# Altium PCB GT502W_QC10.PcbDoc (part 2 of 2)
Units mil, origin at the board's own origin, x right, y up, seen from the top; angles counter-clockwise.
Board outline 2072.48 x 2691 mil, 2 copper layers (Top Layer, Bottom Layer), stack 10.556 mil thick; 172 components, 116 nets, 567 pads, 350 vias.
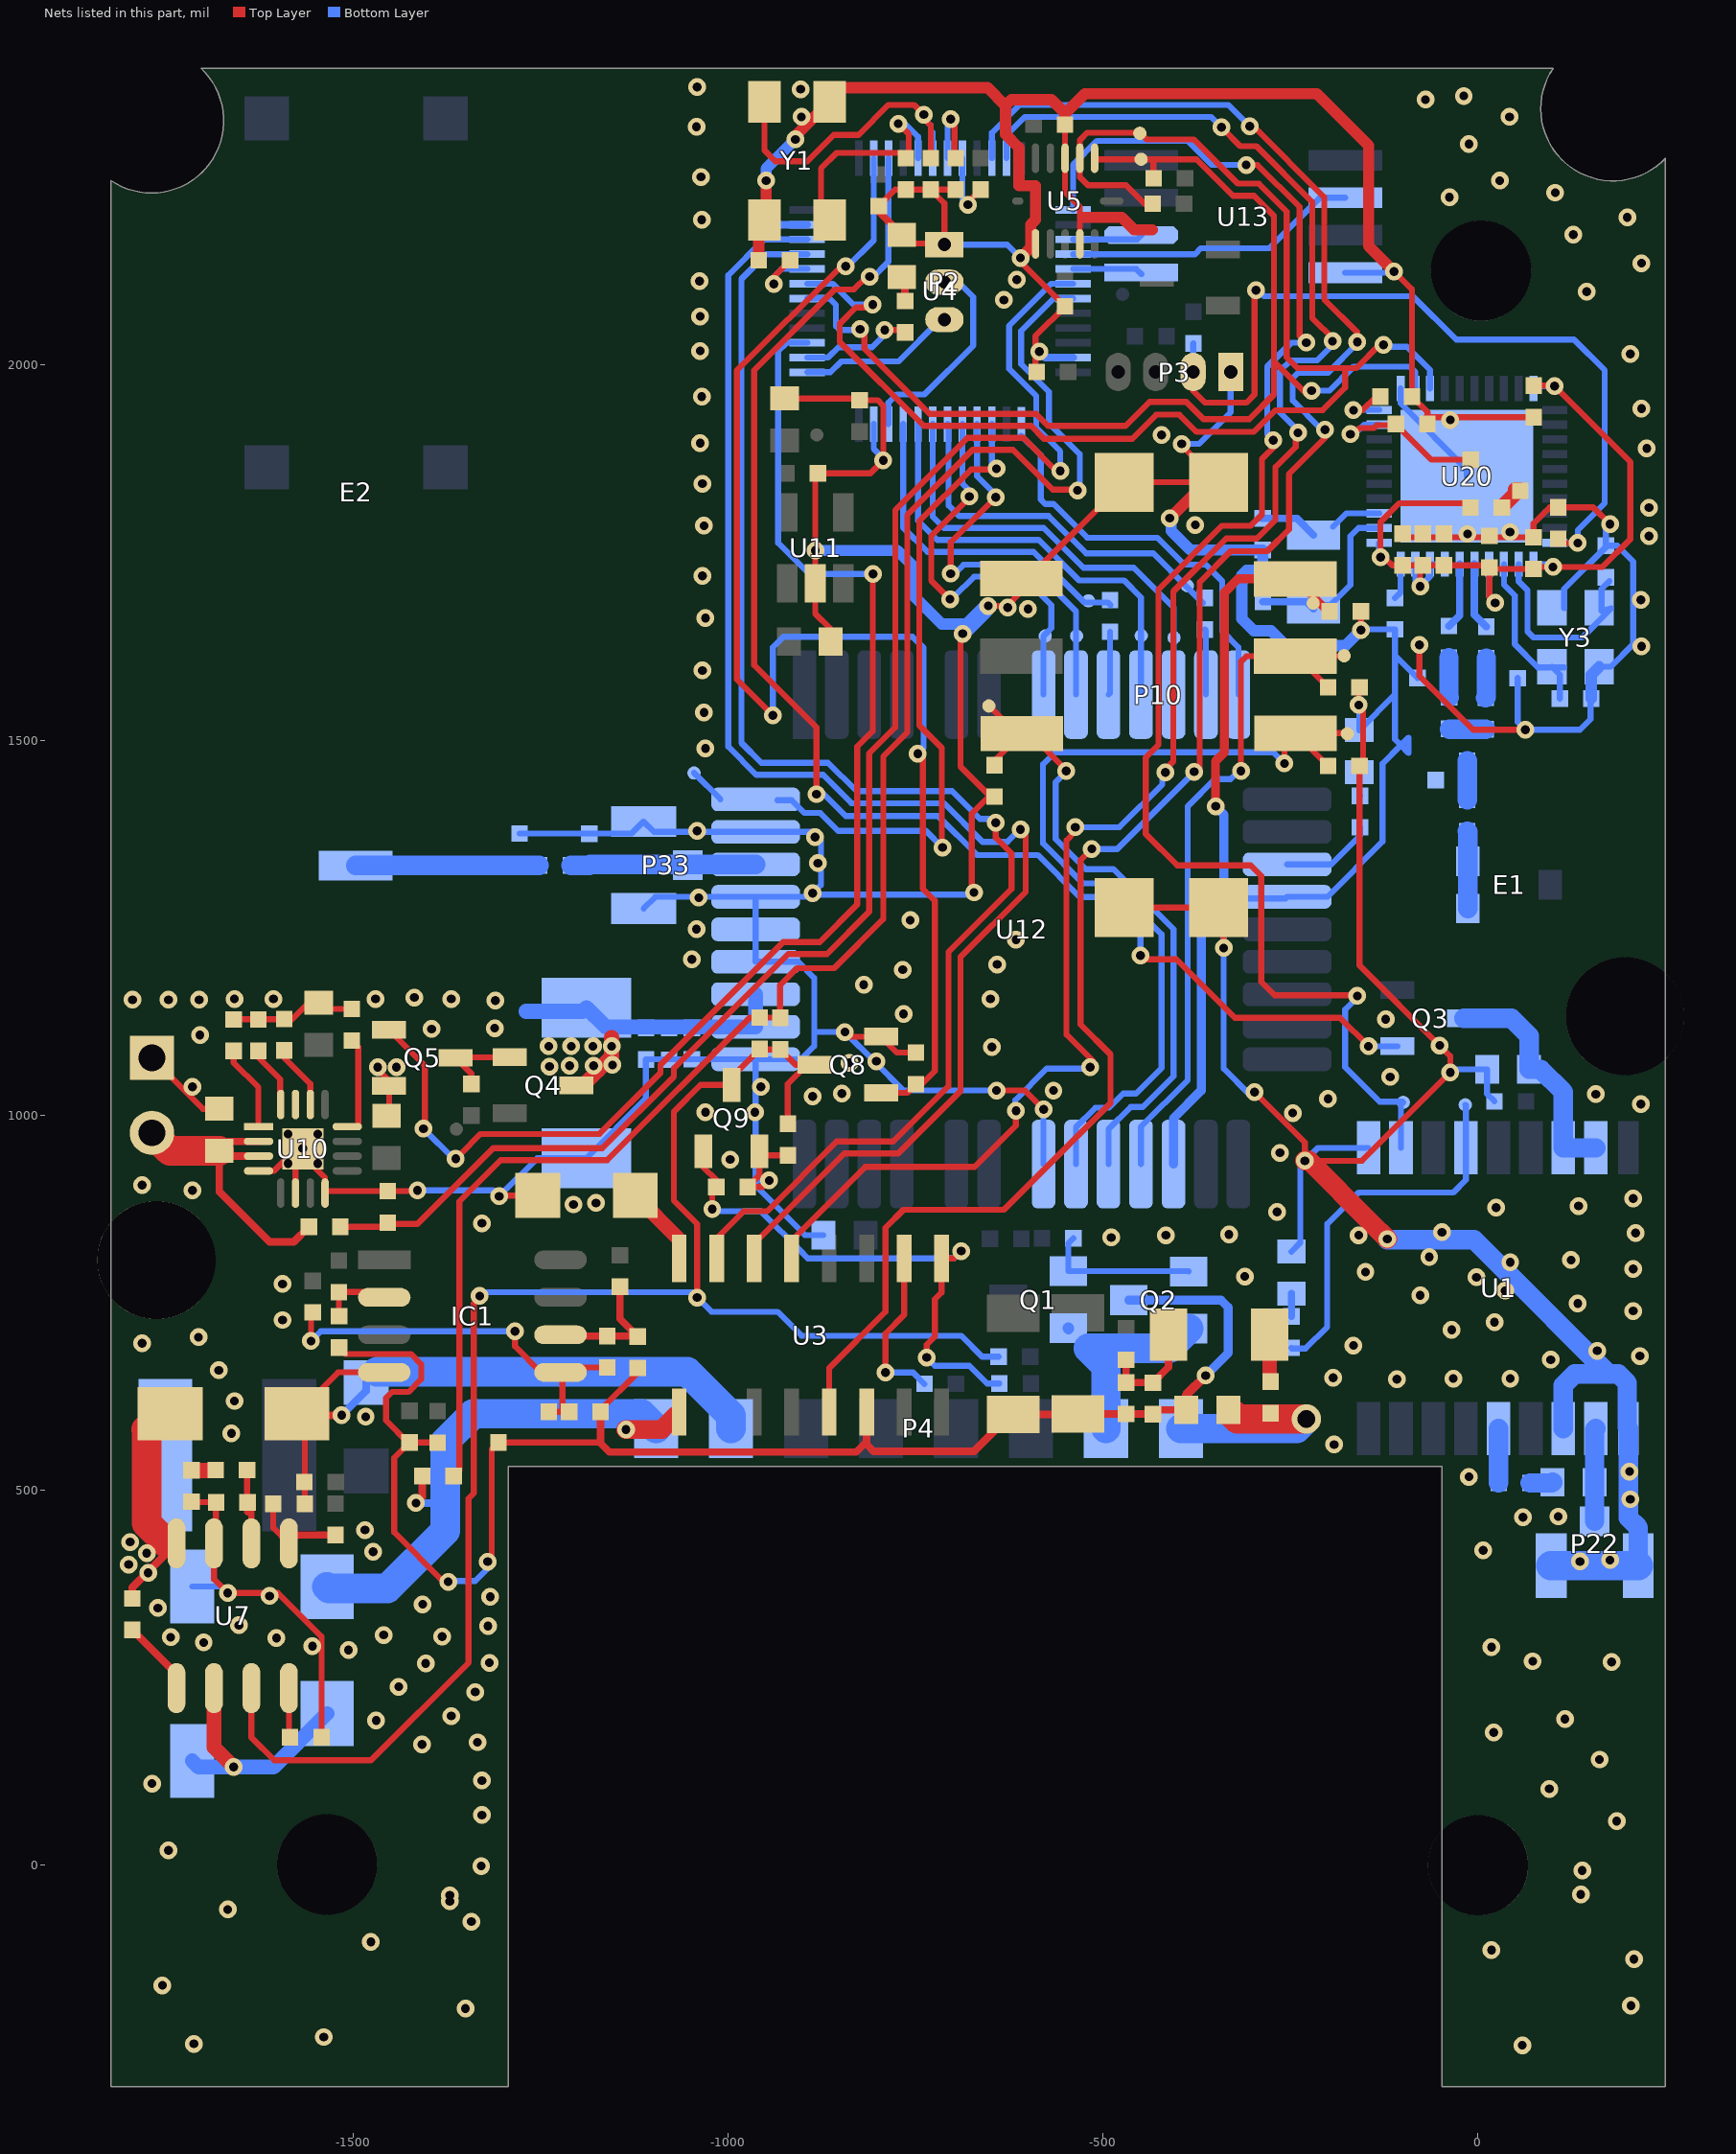
[diagram p2: the nets of this part, all layers, seen from the top]

## Via types
v1: diameter 23.62, hole 11.81, Top Layer to Bottom Layer, 342 vias
v2: diameter 11.81, hole 11.81, Top Layer to Bottom Layer, tented top, 5 vias
v3: diameter 39.37, hole 23.62, Top Layer to Bottom Layer, 3 vias

## Nets (pads, with @x,y where several pads share a name; then routed paths per layer and width w, separated by ;. In a path a pad name is that pad's centre, name@x,y a point inside that pad or via, vN(x,y) a via of type N, cw(c..) or ccw(c..) an arc to the next point about the centre after c; other vN are vias at no path point) (continued)
GND: C5.1 C6.2 C8.1 C10.2 C11.2 C12.2 C13.2 C14.1 C15.2 C17.2 C18.1 C19.2 C20.1 C21.2 C22.2 C25.1 C32.1 C40.1 C48.2 C49.2 C51.1 C53.2 C55.2 C56.2 C57.1 C58.1 C59.1 C62.1 C63.1 C70.1 C71.2 C72.2 C73.2 C74.2 C76.2 C77.2 C81.2 C82.2 C83.2 C84.1 C86.1 C87.1 C88.1 C89.1 C90.1 C91.1 C94.1 C95.1 C96.1 D2.2 D5.1 D9.2 D14.2 F3.2 IC1.4 L2.2 P2.1 P3.1 P4.2 P10.5 P10.8 P10.9 P10.10 P10.11 P13.1 P22.2 P22.3 P33.2 P33.3 pad.0@-1762.06,806.98 Q5.2 Q8.2 Q9.2 R4.1 R11.1 R21.1 R43.2 R44.2 R45.2 R58.1 R88.2 R93.2 R96.1 R99.1 U1.1 U1.10 U1.12 U4.8 U4.23 U4.35 U4.47 U5.1 U5.4 U5.8 U7.7 U10.4 U10.6 U10.8 U10.15 U10.17 U11.2 U12.15 U12.27 U12.32 U12.35 U12.36 U12.37 U12.39 U13.4 U20.1 U20.41 Y1.2 Y1.4 Y3.2 Y3.4 | length 15212.9
  Top Layer w8: P13.1@-1768.09,1076.47 -1721.81,1030.19 -1700.16,1008.54 C25.1@-1678.24,1008.54 ; R96.1@-1712.6,484.26 -1682.96,484.26 C95.1@-1682.56,483.86 -1682.56,431.95 U7.7@-1685.38,429.13 -1685.38,381.38 v1(-1667,363) -1611,363 -1600,363 -1541.87,304.87 -1541.87,292 C90.1@-1541.87,170.83 ; R88.2@-1659.06,1127.83 R45.2@-1625.97,1127.83 -1591.75,1127.83 -1581.17,1127.83 -1556.8,1152.2 -1550.09,1145.5 -1546.2,1141.61 -1545.76,1141.61 R43.2@-1501.58,1141.61 ; U10.4@-1625.8,925.77 -1605.44,925.77 -1591.01,940.19 -1575.91,955.3 -1567.17,955.3 U10.17@-1566.75,955.3 ; U10.6@-1576.59,896.24 -1576.59,935.61 -1576.59,945.45 U10.17@-1566.75,955.3 ; R21.1@-1564.28,482.05 -1564.28,511.02 -1564.28,592.04 -1572.24,600 D5.1@-1574.58,602.34 -1519.7,657.22 IC1.4@-1458.22,657.22 ; v1@-1461,1067 -1463,1067 -1466.5,1063.5 -1468,1062 -1451.84,1045.84 Q5.2@-1451.84,1039.15 -1451.84,1002.33 C70.1@-1455.12,999.05 ; v1(-1414,900) -1415.17,898.83 R58.1@-1453.58,898.83 -1534.63,898.83 U10.8@-1537.22,896.24 -1537.22,916.6 -1551.64,931.03 -1566.75,946.13 U10.17@-1566.75,955.3 ; v1@-1304.08,892.92 F3.2@-1253.54,892.92 ; v1(-945,913) -953.78,904.22 C86.1@-973.65,904.22 -957.91,919.96 Q9.2@-957.91,951.89 -952.62,946.61 R4.1@-920.18,946.61 ; C19.2@-924.37,1955.61 -826.58,1955.61 C13.2@-824.37,1953.4 -800.4,1953.4 -793,1946 v1(-793,1873) -810.13,1855.87 C18.1@-880.17,1855.87 -883.56,1852.48 v1(-883.56,1753) U11.2@-883.56,1709.02 ; U11.2@-880.17,1712.4 U11.2@-883.56,1709.02 ; C17.2@-862.89,1631.46 -862.89,1647.89 -883.56,1668.56 U11.2@-883.56,1709.02 ; v1(-844,1111) -837.69,1104.69 Q8.2@-795.79,1104.69 -774.54,1083.45 R93.2@-749.31,1083.45 ; C10.2@-799,2212.13 -776.95,2234.18 -762.87,2234.18 -729.67,2234.18 C6.2@-696.47,2234.18 ; D2.2@-778.35,2162.39 -768.11,2162.39 -713.04,2162.39 P2.1@-711.42,2160.77 -711.42,2215.82 C15.2@-729.67,2234.08 ; v1@-690,1639 -690,1465 C59.1@-649.67,1424.67 ; v1(-680,2214) -680,2217.35 C12.2@-663.27,2234.08 C12.2@-663.37,2234.18 ; v1(-672,1297) -675,1300 -675,1402 -652.33,1424.67 C59.1@-649.67,1424.67 ; v1(-653,1679) -628,1679 -608.91,1698.09 P10.5@-608.91,1715.54 -600.25,1715.54 P10.9@-471.91,1843.89 P10.10@-363.11,1843.89 ; v1(-642,1033) -604,1033 v1(-579,1008) ; C59.1@-641.61,1424.67 C59.1@-644.76,1424.67 C59.1@-649.67,1424.67 ; v1(-610,2143) -610,2137.92 C5.1@-550.54,2078.46 -590,2038.99 -590,2018 C11.2@-590,1990.83 ; C14.1@-550.54,2315 U5.8@-550.54,2275.93 -550.54,2230.61 -530.85,2210.92 U5.4@-530.85,2161.76 ; P10.11@-471.91,1276.96 P10.8@-345.92,1276.96 -339,1276.96 v1(-339,1223) ; v1(-395,1895) -395,1892.97 P10.10@-345.92,1843.89 ; v1(-298,1031) -230.74,963.74 v1(-230.74,939.26) ; v1@-225.26,939.26 -154.74,939.26 v1(-37,1057) -37,1079 v1(-51,1093) -157.91,1199.91 C58.1@-157.91,1465.69 -153.3,1470.3 -153.3,1541.3 v1(-159,1547) -159,1569.54 C57.1@-157.91,1570.63 C57.1@-155.97,1572.57 ; v1(-155.97,1647) C56.2@-155.97,1671.69 ; v1(-112,2125) -88.1,2101.1 C83.2@-88.1,1958.15 -67.4,1937.45 C91.1@-67.4,1930.67 ; C71.2@-100.45,1770.47 -73.52,1770.47 -45.49,1770.47 -14,1770.47 15.22,1770.47 42.78,1770.47 C76.2@74.04,1770.47 ; v1(-78,1627) -78,1585.43 -6.57,1514 v1(63,1514) ; C91.1@-69.33,1930.67 C91.1@-67.4,1930.67 ; C91.1@-67.4,1921.66 C91.1@-67.4,1930.67 ; C77.2@74.45,1930.67 -37,1930.67 C91.1@-67.4,1930.67 ; v1(176,1788) 153.54,1810.46 C96.1@106.93,1810.46 95.46,1810.46 74,1789 C76.2@74,1770.5 ; C76.2@74,1770.5 C76.2@74.04,1770.47
  Top Layer w10: D5.1@-1572.24,600 v1(-1515,600) ; C10.2@-799,2212.13 -799,2204.7 D2.2@-768.11,2173.81
  Top Layer w15: R11.1@-959.07,2139.72 -959.07,2185.73 Y1.2@-951.22,2193.58 -949,2195.8 v1(-949,2246) ; v1(-910,2301) -910,2305.67 -893.33,2322.33 Y1.4@-864.61,2351.06 ; Y1.4@-857,2370 -654,2370 -630,2346 ; v1(-610,2143) -596.37,2156.64 -596.37,2161.76 -596.37,2187.63 -590,2194 -590,2239.27 ; -590.16,2239.27 -612,2239.27 -612,2290 -630,2308 -630,2346 ; C14.1@-550.61,2320.59 -550.61,2335.61 ; -526,2197 -475,2197 -458.59,2180.59 -434.43,2180.59 ; v1(-411,1796) -363.11,1843.89 P10.10@-345.92,1843.89 ; v1(-112,2125) -146,2159 -146,2293 -215,2362 -524.23,2362 -550.61,2335.61 ; -630,2346 -622,2354 -569,2354 -550.61,2335.61
  Top Layer w26: v1(-230.74,939.26) -225.26,939.26 -142.5,856.5 v1(-121,835)
  Bottom Layer w8: C22.2@-1714.31,371.65 -1675.65,371.65 v1(-1667,363) ; v1(-1414,900) -1313,900 v1(-1305,892) -1254.15,942.85 C48.2@-1188.77,942.85 -1109.35,1022.28 C51.1@-1109.35,1074.39 -1109.1,1074.63 -1078.64,1074.63 C53.2@-1048.26,1074.57 U12.32@-963.13,1074.63 ; C62.1@-1277.74,1375.59 -1184.83,1375.59 -1128.45,1375.59 P33.2@-1112.5,1391.54 -1098.74,1377.78 -1041,1377.78 U12.39@-963.13,1377.78 v1@-888,1377.78 ; P33.3@-1112.5,1275.4 -1096.73,1291.17 -1039,1291.17 U12.37@-963.13,1291.17 ; v1(-945,913) -963.13,913 ; v1@-887,1291.17 U12.37@-963.13,1291.17 ; v1(-887,1296) v1@-883,1300 ; v1@-876,1365.78 -876,1336 -876,1307 v1@-883,1300 ; C32.1@-872.64,840.21 -897.21,840.21 -963.13,906.13 -963.13,913 ; U4.35@-805.68,1921.62 -805.68,1888.68 -793,1876 v1(-793,1873) ; P2.1@-711.42,2160.77 -627.77,2160.77 v1(-610,2143) ; U4.8@-687.57,2275.95 -687.57,2221.57 v1(-680,2214) ; v1(-672,1297) -675,1294 -877,1294 v1@-883,1300 ; v1(-642,1033) -766,1033 -803.5,1070.5 v1(-844,1111) -885,1111 ; U12.27@-579.28,982.72 U12.27@-579.28,934.87 -579.28,1007.72 v1(-579,1008) ; v1(-395,1895) -372,1895 -329.74,1937.26 P3.1@-329.74,1990.93 ; v1@-304,1027 -339,1062 v1(-339,1223) -339,1259 -309,1289 -256.64,1289 U12.15@-254.47,1291.17 -200.83,1291.17 -127.2,1364.8 -127.2,1468.8 -102.74,1493.26 ; D9.2@-248.68,818.16 -237,829.83 v1@-237,933 ; v1(-230.74,939.26) -213.56,956.44 U1.1@-146.06,956.44 ; U13.4@-177.13,2123.31 -113.69,2123.31 v1(-112,2125) ; v1@-158.2,1546.2 D14.2@-158.2,1513.46 -110.57,1561.09 ; v1@-155.21,1647.76 R99.1@-110.57,1647.76 -110.57,1612.97 ; U20.1@-103.26,1968.91 -103.07,1968.72 -103.07,1949.07 -14.67,1860.67 U20.41@-14.67,1851.78 ; C81.2@-80.66,1583.06 -110.57,1612.97 ; v1@-32.84,1061.16 C40.1@12.1,1061.16 12.1,1028.47 C55.2@22.03,1018.54 ; L2.2@52.97,1582.81 52.97,1524.03 v1(63,1514) 136,1514 150,1528 150,1554.47 C84.1@151.11,1555.58 ; Y3.4@114.8,1675.8 114.8,1676.59 114.8,1701.8 C87.1@171.41,1758.41 ; Y3.2@161.59,1597.94 176.94,1597.94 207,1628 207,1687 207,1738 185.72,1759.28 C87.1@170.53,1759.28 170.53,1782.53 v1(176,1788) ; -963.13,913 -963.13,1004 -963.13,1038 U12.32@-963.13,1074.63 ; U12.32@-963.13,1074.63 -902.37,1074.63 -885,1092 -885,1111 ; U12.37@-963.13,1291.17 U12.36@-963.13,1247.86 U12.35@-963.13,1204.55 -906.55,1204.55 -885,1183 -885,1111 ; -110.57,1561.09 -110.57,1501.08 -102.74,1493.26 ; -110.57,1561.09 -110.57,1612.97 ; -102.74,1493.26 -92.49,1503.51 -92.49,1483 -102.74,1493.26
  Bottom Layer w10: v1(-1515,600) -1482.4,632.6 C21.2@-1482.4,643.57 ; v1(-949,2246) -949,2201 -935.37,2187.37 U4.47@-894.26,2187.37 ; v1@-590,2023 v1(-585,2018) -577.2,2010.2 U4.23@-539.93,2010.2
  Bottom Layer w15: v1(-949,2246) -949,2262 v1(-910,2301) ; v1(-883.56,1753) -774,1753 -753,1732 -753,1693 -715,1655 -687,1655 -682,1655 v1@-659,1678 ; v1(-411,1796) -409,1794 -409,1779 -383.67,1753.67 C88.1@-287.19,1753.67 -287.19,1727.18 C89.1@-286.61,1726.6 -308.4,1726.6 -315,1720 -315,1662 -299,1646 -276,1646 -256,1626 -176.97,1626 v1(-155.97,1647) ; C84.1@151.11,1555.58 151.11,1587.46 Y3.2@161.59,1597.94
  Bottom Layer w19.68: v1(-687,1642) -657,1672 v1@-660,1672
  Bottom Layer w26: v1(-121,835) -121,834 -65,834 -48,834 -5,834 34,795 49.5,779.5 151,678 174,655 ; U1.12@113.78,582.43 113.78,639.78 129,655 174,655 ; P22.3@213.62,399.54 213.62,450.38 200.39,463.61 200.39,488 200.39,525 U1.10@200.39,582.43 199,583.82 199,643 187,655 174,655
  Bottom Layer w39.37: C21.2@-1467.98,658 -1054,658 -995.92,599.92 P4.2@-995.92,582.28 ; P22.2@97.48,399.54 136,399.54 176,399.54 P22.3@213.62,399.54
  other v1: 59,-240 -1712,-238 -1539,-229 -1350,-191 204,-187 -1754,-160 208,-125 18,-113 -1476,-102 -1342,-75 -1667,-59 -1371,-48 -1371,-40 137,-39 139,-7 -1329,-1 -1746,20 185,59 -1328,67 95,102 -1768,109 -1328,113 162,141 -1408,161 -1334,164 21,177 -1469,193 116,195 -1369,199 -1337,231 -1439,238 -1403,269 -1318,270 178,271 73,272 -1506,287 18,291 -1554,292 -1699,297 -1602,303 -1743,304 -1381,305 -1459,307 -1320,319 -1652,320 -1760,343 -1407,348 -1317,358 -1611,359 136,405 176,407 -1473,418 7,420 -1484,447 60,464 107,465 203,488 -12,518 202,525 -192,561 -1662,576 -1483,598 -1658,619 -108,648 -33,649 43,649 -193,650 -1679,660 97,674 216,679 159,686 -166,693 -1781,696 -1706,704 -35,714 22,724 -1594,727 207,739 133,749 -77,760 36,766 -1594,775 -2,784 -311,785 -150,791 207,795 43,804 124,807 -65,811 -489,837 -416,840 -159,840 -332,841 210,843 -48,844 -1328,856 -268,871 24,877 134,879 -1206,881 -1176,883 207,889 -1714,900 -1781,907 -997,941 -264,950 -247,1003 -1030,1004 -964,1004 217,1015 -200,1022 -887,1025 157,1028 -848,1029 -566,1033 -1714,1038 -956,1038 -117,1051 -1467,1064 -1442,1064 -838,1070 -802,1072 -648,1091 -1704,1107 -1395,1115 -1311,1116 -123,1128 -766,1135 -1310,1153 -1794,1154 -1746,1154 -1705,1154 -1658,1155 -1606,1155 -1470,1155 -1369,1155 -650,1155 -1418,1157 -819,1174 -767,1194 -641,1201 -1048,1208 -616,1234 -1042,1248 -757,1260 -1039,1290 -880,1336 -884,1370.78 -1041,1379 -1030,1489 -1032,1537 -1034,1593 218,1625 -1030,1663 -600,1675 -627,1677 217,1687 -1034,1719 228,1772 -14,1775 42.78,1777.56 -1032,1786 -377,1787 228,1810 -1034,1842 225,1889 -1037,1896 -422,1907 -37,1927 218,1942 -1035,1958 203,2015 -1037,2019 -1037,2065 -632,2087 145,2098 -1038,2112 -615,2114 218,2136 127,2174 -1035,2194 199,2197 -38,2224 103,2230 29,2246 -1036,2251 -12,2295 -1042,2318 -902,2331 42,2331 -70,2354 -19,2359 -903,2368 -1041,2371
  other v2: -1586.43,935.61 -1547.06,935.61 -1567.17,955.91 -1586.43,974.98 -1547.06,974.98
GPS_EN: Q3.1 U4.3 | length 1923
  Top Layer w8: v1(-882,1428) -882,1517 -965,1600 -965,1993.37 -857.37,2101 -832,2101 -815,2118 v1(-811,2118) ; v1@-811,2114 v1@-810,2114 ; v1(-450,1213) -450,1208 -402,1208 -324,1130 -184,1130 v1(-146,1092) v1@-138,1092
  Bottom Layer w8: v1@-882,1429 -873,1429 -843,1399 -720,1399 -668,1347 -587,1347 -531,1291 -494.29,1291 -450,1246.71 v1(-450,1213) ; v1@-810,2114 -808.5,2115.5 -785.99,2138.01 U4.3@-785.99,2275.95 ; v1(-146,1092) Q3.1@-107.53,1092
GSM_DCD: TP6.1 U4.32 U12.8 | length 598.1
  Bottom Layer w8: U4.32@-746.62,1921.62 -746.62,1792.62 -721,1767 -585.75,1767 -531.75,1713 -472,1713 -449.35,1690.35 U12.8@-449.35,1560.85
GSM_DTR: R31.2 TP3.1 U4.33 | length 457.4
  Bottom Layer w8: U4.33@-766.31,1921.62 -766.31,1783.31 -734,1751 -592.37,1751 -525.06,1683.69 -493.69,1683.69 R31.2@-490,1680
GSM_POWER: TP16.1 U4.27 U12.40 | length 949.2
  Top Layer w8: v1@-715,1357 -715,1490 -745,1520 -745,1791.81 -675.81,1861 v1@-642,1861 ; v1(-714,1357) v1@-710,1353
  Bottom Layer w8: TP16.1@-1045.24,1456.29 U12.40@-1010.03,1421.09 ; U12.40@-934,1420 -915,1420 -898,1403 -877,1403 -853,1379 -736,1379 v1(-714,1357) v1@-710,1353 ; U4.27@-648.2,1921.62 -648.2,1868.2 v1(-642,1862) ; v1@-640.36,1863.33 -640.5,1863.5 v1@-640,1863
GSM_PWR_EN: Q5.1 U4.39 | length 1784.4
  Top Layer w8: Q5.1@-1451.84,1113.95 -1404,1066.11 -1404,984 v1(-1406,982) ; v1@-1357,942 -1357,948 -1330,975 -1171.25,975 -1090,1056.25 -1090,1067.42 -926.42,1231 -877.63,1231 -827.56,1281.07 -827.56,1491.44 -807,1512 -807,1721.5 v1@-807,1723
  Bottom Layer w8: v1(-1406,982) v1@-1364.5,940.5 ; U4.39@-894.26,2029.89 -921.68,2029.89 -933,2018.57 -933,1763 -891.5,1721.5 v1(-806.5,1721.5)
  other v1: -1363,942
GSM_RI: TP8.1 U4.28 U12.6 | length 533.5
  Top Layer w8: v1(-703,1722) -703,1764 v1(-643,1824)
  Bottom Layer w8: v1@-698,1722 -686,1734 -598,1734 -535.97,1671.97 -535.97,1639.02 U12.6@-535.97,1560.85 ; U4.28@-667.88,1921.62 -667.88,1851.88 v1@-644.5,1828.5
GSM_RST: TP9.1 U4.29 U12.5 | length 556.8
  Top Layer w8: v1(-704,1688) -729,1713 -729,1772 -680.5,1820.5 -680.5,1825 -680.5,1827.5 v1@-680,1828
  Bottom Layer w8: v1@-705,1692 -704,1692 -698,1692 -672,1718 -607,1718 -569,1680 -569,1649.31 -578.16,1640.15 -579.28,1639.04 U12.5@-579.28,1560.85 ; U4.29@-687.57,1921.62 -687.57,1842.57 -678,1833 -678,1831 -681,1828 v1@-682,1827
  other v1: -678,1825
GSM_RTS: U4.25 U12.11 | length 543
  Bottom Layer w8: U4.25@-609,1906 -583,1880 -583,1821 -577,1815 -565.86,1815 -520.86,1770 -427.58,1770 -391.74,1734.17 -363.17,1734.17 -341.05,1712.05 -341.05,1645.48 -319.43,1623.86 U12.11@-319.43,1560.85
HIGH-PASS: C39.1 IC1.5 R8.2 R37.2 R41.2 | length 544.9
  Top Layer w8: v1(-1556,699) -1556,734.63 C39.1@-1553.56,737.07 ; v1(-1284,712) -1284,692 -1249.22,657.22 IC1.5@-1223.22,657.22 ; R41.2@-1238.93,604.65 -1238.84,604.74 R37.2@-1220.81,604.74 ; IC1.5@-1220.81,654.82 R37.2@-1220.81,604.74 ; IC1.5@-1216.78,663.66 R8.2@-1160.87,663.66 ; R37.2@-1211.75,604.74 R37.2@-1220.81,604.74
  Bottom Layer w8: v1(-1556,699) -1543,712 v1(-1284,712)
LED: R9.2 U4.38 | length 153.5
  Top Layer w8: v1(-791,2047) -765.1,2047 R9.2@-764.17,2046.07
  Bottom Layer w8: U4.38@-894.26,2010.2 -866.51,2010.2 -852.71,2024 -808,2024 v1@-788,2044 ; v1(-791,2047) v1@-785,2047
NetC1_1: C1.1 D5.2 L1.1 U7.8 | length 261.1
  Top Layer w10: C1.1@-1794.21,355.79 -1794.21,370.3 -1773.76,390.76 U7.8@-1735.38,429.13
  Top Layer w39.37: D5.2@-1776,581 -1775,580 -1775,456 -1755,436 -1748.13,429.13
  other v1: -1773,390 -1799,401 -1775,416 -1797,431
NetC1_2: C1.2 U7.1 | length 101.9
  Top Layer w10: C1.2@-1794.21,313.79 -1735.38,254.96 U7.1@-1735.38,236.22
NetC6_1: C6.1 U4.7 | length 104.6
  Top Layer w8: v1@-698,2328 -698,2277.61 C6.1@-696.47,2276.08
  Bottom Layer w8: U4.7@-707.26,2275.95 U4.7@-707.26,2275.95 v1@-707.19,2328
  other v1: -703,2328
NetC22_1: C22.1 D4.2 U7.2 | length 328.8
  Top Layer w19.68: U7.2@-1685.38,236.22 -1685.38,157.38 v1(-1659,131)
  Bottom Layer w19.68: C22.1@-1714.31,139.37 -1705.94,131 v1(-1659,131) -1606.01,131 D4.2@-1534.66,202.35
NetC34_1: C34.1 R96.2 | length 29.7
  Top Layer w20: R96.2@-1712.6,526.26 -1683.97,526.26 C34.1@-1683.2,527.02
NetC34_2: C34.2 C95.2 U7.6 | length 114.4
  Top Layer w8: C34.2@-1641.2,527.02 -1641.2,471.2 -1640,470 ; C95.2@-1640.56,483.86 -1635.38,478.68 U7.6@-1635.38,429.13
NetC62_2: C62.2 E2.1 R78.2 | length 244.9
  Bottom Layer w26: E2.1@-1496.38,1332.79 -1496.06,1333.11 R78.2@-1251.59,1333.11
NetC63_2: C63.2 P33.1 R78.1 U12.38 | length 247
  Bottom Layer w26: R78.1@-1209.59,1333.11 -1209.5,1333.2 C63.2@-1184.83,1333.2 -1183.55,1334.47 U12.38@-963.13,1334.47
NetC78_1: C78.1 U20.25 | length 89.8
  Bottom Layer w10: U20.25@-4.83,1734.66 -4.83,1667.22 C78.1@10.98,1651.41
NetC78_2: C78.2 C80.1 L2.1 | length 53.2
  Bottom Layer w26: C80.1@10.27,1556.52 10.98,1557.23 C78.2@10.98,1609.41
NetC79_1: C79.1 U20.26 | length 88.3
  Bottom Layer w10: C79.1@-38.7,1652.19 -24.52,1666.38 U20.26@-24.52,1734.66
NetC79_2: C79.2 C81.1 L5.1 | length 53.2
  Bottom Layer w26: C79.2@-38.7,1610.19 -38.7,1557.48 L5.1@-38.35,1557.13
NetC80_2: C80.2 L3.1 L5.2 | length 48
  Bottom Layer w26: L5.2@-37.74,1514.52 C80.2@10.27,1514.52
NetC82_1: C82.1 L3.2 L4.1 | length 52
  Bottom Layer w26: L4.1@-14.33,1420.78 L3.2@-14.33,1472.79
NetC83_1: C83.1 U20.40 | length 88.8
  Top Layer w8: v1(-166,1940) -154.03,1940 -135.88,1958.15 C83.1@-130.1,1958.15
  Bottom Layer w8: v1@-165.61,1940.39 U20.40@-131.8,1940.39 U20.40@-143.39,1940.39
NetC84_2: C84.2 U20.23 Y3.3 | length 237.9
  Bottom Layer w8: U20.23@34.54,1734.66 34.54,1707.46 49,1693 49,1628 79.85,1597.15 Y3.3@99.45,1597.15 ; Y3.3@98.66,1597.94 Y3.3@99.45,1597.15 ; C84.2@109.11,1555.58 109.11,1587.49 Y3.3@99.45,1597.15 ; Y3.3@114.8,1597.15 Y3.3@99.45,1597.15
NetC86_2: C86.2 Q9.1 R82.2 U3.1 | length 731.3
  Top Layer w8: Q9.1@-1032.71,951.89 -1032.71,930.71 -1015.65,913.65 C86.2@-1015.65,904.22 -1021,898.87 v1(-1021,875) ; v1(-735,677) -735,694 -724,705 -724,754.63 -715.09,763.53 U3.1@-715.09,809.02 -698.98,809.02 v1(-689,819)
  Bottom Layer w8: v1(-1021,875) -1018,872 -956,872 -900.64,816.64 -900.64,816.24 -893.61,809.21 -698.79,809.21 v1(-689,819) ; v1(-735,677) -724,666 -678,666 -654.41,642.41 R82.2@-638.21,642.41
NetC87_2: C87.2 U20.22 Y3.1 | length 283.3
  Bottom Layer w8: U20.22@54.22,1734.66 54.22,1711.78 66,1700 66,1645 74,1637 138.92,1637 177.73,1675.8 164.73,1672.59 164.73,1701.73 C87.2@175.41,1712.41
NetC88_2: C88.2 U20.33 Y4.1 | length 146.3
  Bottom Layer w8: Y4.1@-193.5,1784.5 -175.44,1802.56 U20.33@-131.8,1802.56
  Bottom Layer w10: C88.2@-287.19,1795.67 -241.44,1795.67 Y4.1@-219.22,1773.45
NetC89_2: C89.2 U20.32 Y4.2 | length 234.2
  Bottom Layer w8: Y4.2@-214,1680 -197,1680 -170,1707 -170,1772 -159.13,1782.87 U20.32@-131.8,1782.87
  Bottom Layer w10: C89.2@-286.61,1684.6 -228.8,1684.6 Y4.2@-219.22,1675.03
NetC90_2: C90.2 U7.4 | length 66
  Top Layer w8: U7.4@-1585.38,236.22 -1585.38,172.34 C90.2@-1583.87,170.83
NetD1_1: D1.1 R24.1 | length 63.1
  Top Layer w19.68: D1.1@-277.76,707.47 -277.76,645.94 R24.1@-276.63,644.81
NetD2_1: D2.1 R9.1 | length 35.7
  Top Layer w10: D2.1@-777.56,2118.2 -764.17,2104.82 R9.1@-764.17,2088.07
NetD9_1: D9.1 R28.2 | length 30.3
  Bottom Layer w10: R28.2@-248.82,731.88 -248.68,732.02 D9.1@-248.68,762.16
NetD14_1: D14.1 R35.1 | length 32
  Bottom Layer w8: D14.1@-158.2,1457.46 -158.2,1426.54 R35.1@-157.41,1425.76
NetE1_1: E1.1 L4.2 | length 103.4
  Bottom Layer w26: L4.2@-14.33,1378.78 -13.66,1378.1 E1.1@-13.66,1338.63 E1.1@-13.66,1275.63
NetF3_1: F3.1 U3.8 | length 108.1
  Top Layer w19.68: F3.1@-1123.54,892.92 -1065.09,834.47 U3.8@-1065.09,809.02
NetFB1_2: FB1.2 R1.1 | length 35.5
  Top Layer w19.68: FB1.2@35,1814 55.47,1834.47 49.53,1834.47 R1.1@50,1834
NetIC1_2: IC1.2 R27.2 R36.2 | length 95.7
  Top Layer w8: R27.2@-1518.59,732.22 -1518.91,732.54 R36.2@-1518.91,764.23 -1465.22,764.23 IC1.2@-1458.22,757.22
NetIC1_6: IC1.6 R8.1 R38.1 R39.2 | length 179
  Top Layer w10: IC1.6@-1223.22,707.22 -1221.65,705.66 R8.1@-1160.87,705.66 R38.1@-1120.91,705.66 ; R39.2@-1143.95,771.32 -1143.95,728.7 R38.1@-1120.91,705.66 ; R38.1@-1120.3,705.05 R38.1@-1120.91,705.66
NetL68_1: L68.1 R77.1 | length 30.2
  Bottom Layer w26: R77.1@69.69,509.63 98.32,509.63 L68.1@99.42,510.73
NetL68_2: L68.2 P22.1 U1.11 | length 124.5
  Bottom Layer w26: P22.1@155.55,458.59 155.55,580.89 U1.11@157.09,582.43
NetQ1_1: Q1.1 Q2.1 R23.1 | length 207.7
  Bottom Layer w8: R23.1@-539.44,836.04 -546.31,829.17 Q1.1@-546.31,792.05 -386.21,792.05 Q2.1@-385.68,791.52
NetQ4_1: Q4.1 Q5.3 R49.2 | length 116.5
  Top Layer w8: R49.2@-1342.13,1041.61 -1342.13,1055.42 Q5.3@-1363.26,1076.55 -1362.5,1077.31 Q4.1@-1290.75,1077.31
NetR11_2: R11.2 U4.44 | length 99.1
  Top Layer w8: v1(-939,2108.31) -939,2117.79 R11.2@-917.07,2139.72
  Bottom Layer w8: v1(-939,2108.31) -939,2117.79 -928.48,2128.31 U4.44@-894.26,2128.31
NetR19_1: R19.1 R21.2 U7.5 | length 128.2
  Top Layer w8: R21.2@-1606.28,482.05 -1606.28,450.04 U7.5@-1585.38,429.13
  Top Layer w10: U7.5@-1585.38,429.13 -1574.23,440.28 R19.1@-1523.37,440.28
NetR28_1: R28.1 TP2.1 U1.4 | length 506.8
  Bottom Layer w8: R28.1@-248.82,689.88 -247.94,689 -230,689 -201,718 -201,855 -159,897 -33,897 -16.14,913.86 U1.4@-16.14,956.44 -16.14,1013.13 TP2.1@-16.93,1013.92
NetR31_1: R31.1 U12.7 | length 84.6
  Bottom Layer w8: U12.7@-492.66,1560.85 -490.73,1562.78 R31.1@-490.73,1644.64
NetR33_1: R33.1 U12.10 | length 87.3
  Bottom Layer w8: R33.1@-364.05,1647.57 -362.74,1646.25 U12.10@-362.74,1560.85
NetR35_2: R35.2 U12.14 | length 124
  Bottom Layer w8: U12.14@-254.47,1334.47 -195.53,1334.47 -157.41,1372.59 R35.2@-157.41,1383.76
NetR43_1: R43.1 U10.12 | length 133
  Top Layer w8: U10.12@-1507.69,984.82 -1493,984.82 -1493,1091.04 R43.1@-1501.58,1099.61
NetR44_1: R44.1 U10.14 | length 86.4
  Top Layer w8: R44.1@-1591.75,1086.33 -1591.75,1076.75 -1556.9,1041.9 U10.14@-1556.9,1014.35
NetR45_1: R45.1 U10.16 | length 83.8
  Top Layer w8: R45.1@-1625.97,1085.83 -1625.97,1076.97 -1597,1048 -1597,1015.08 U10.16@-1596.27,1014.35
NetR77_2: R77.2 U1.14 | length 73
  Bottom Layer w26: U1.14@27.16,582.43 27.16,510.15 R77.2@27.69,509.63
NetR83_1: R83.1 U3.2 | length 220.6
  Top Layer w8: v1(-790,657) -790,709 -765,734 -765,808.93 U3.2@-765.09,809.02
  Bottom Layer w8: v1(-790,657) -753.24,657 R83.1@-738.08,641.83
NetR88_1: R88.1 U10.1 | length 114.8
  Top Layer w8: R88.1@-1659.06,1085.83 -1659.06,1070.06 -1626,1037 -1626,985.02 U10.1@-1625.8,984.82
NetR99_2: R99.2 U20.30 | length 47.9
  Bottom Layer w8: R99.2@-110.57,1689.76 -103.26,1697.07 U20.30@-103.26,1734.66
OSC1: C8.2 U4.5 Y1.3 | length 314.6
  Top Layer w8: Y1.3@-864.61,2193.58 -876,2204.98 -876,2262 -855,2283 -769.8,2283 C8.2@-762.87,2276.08 -759,2279.95 -759,2308 v1(-773,2322)
  Bottom Layer w8: v1@-773,2325 -767,2325 -746.63,2304.63 U4.5@-746.63,2275.95
OSC2: C15.1 U4.6 Y1.1 | length 439.2
  Top Layer w8: Y1.1@-951.22,2351.06 -951.22,2286.22 -937,2272 -894,2272 -859,2307 -826,2307 -786,2347 -752,2347 v1(-739,2334) -739,2329 -729.67,2319.67 C15.1@-729.67,2276.08
  Bottom Layer w8: v1@-739,2329 -729.67,2319.67 -729.67,2313 -726.95,2310.27 U4.6@-726.95,2275.95
OUTPUT1: U3.7 U4.45 | length 1923.8
  Top Layer w8: U3.7@-1015.09,803.12 U3.7@-1015.09,809.02 -1015.09,835.91 -979,872 -948,872 -855,965 -779.63,965 -706,1038.63 -706,1217.63 -622,1301.63 -622,1349 -643,1370 v1(-643,1390)
  Bottom Layer w8: U4.45@-894.26,2148 -949,2148 -982,2115 -982,1496.37 -955.63,1470 -866.56,1470 -828.56,1432 -701,1432 -664,1395 -648,1395 v1(-643,1390)
OUTPUT2: U3.6 U4.46 | length 1971.3
  Top Layer w8: U3.6@-965.09,803.12 U3.6@-965.09,809.02 -965.09,828.91 -845,949 -773,949 -690,1032 -690,1211 -603,1298 -603,1372 -611,1380 v1@-612,1381
  Bottom Layer w8: U4.46@-894.26,2167.68 -951.95,2167.68 -999.66,2119.97 -999.66,1491.4 -962.25,1454 -873.19,1454 -835.19,1416 -712,1416 -660.57,1364.57 -627.43,1364.57 v1@-614,1378
  other v1: -610,1381
PEAK: C36.1 C37.1 D1.2 R25.1 | length 139
  Top Layer w10: C37.1@-469.07,674 -469.18,673.89 R25.1@-469.18,643.63 -433.77,643.63 C36.1@-433.45,643.32 -412.76,664.01 D1.2@-412.76,707.47
PW_ON: C68.1 Q8.3 Q9.3 R3.1 R4.2 R68.1 U7.3 | length 2216.1
  Top Layer w8: U7.3@-1635.38,236.22 -1635.38,170.38 -1605,140 -1476,140 -1346,270 -1346,489 -1338.81,496.19 -1338.81,749.19 v1@-1335,753 ; v1(-1041,757) -1041,855 -1072,886 -1072,1005 -1036.53,1040.47 Q9.3@-995.31,1040.47 -995.31,1050.51 R68.1@-957.57,1088.25 -957.17,1087.86 C68.1@-930.4,1087.86 ; C68.1@-929.72,1087.17 C68.1@-930.4,1087.86 ; R4.2@-920.18,988.61 -920.18,1041.82 -894.71,1067.29 -909.83,1067.29 C68.1@-930.4,1087.86
  Bottom Layer w8: v1(-1331,759) -1326,764 -1048,764 v1(-1041,757) -1022,738 -934,738 -902,706 -689,706 -661.24,678.24 R3.1@-639.07,678.24
PWR_EN: Q8.1 R93.1 U4.2 | length 1805.6
  Top Layer w8: v1(-940,1533) -988,1581 -988,1993 -851.5,2129.5 -843,2129.5 v1@-841.5,2129.5 ; Q8.1@-795.79,1029.89 -760.87,1029.89 R93.1@-749.31,1041.45 -741.55,1041.45 -724,1059 -724,1286 -740,1302 -740,1475 v1@-745,1480
  Bottom Layer w8: v1(-940,1533) -940,1624 -926,1638 -754,1638 -739.17,1623.17 -739.17,1489.83 v1(-747,1482) ; v1@-842,2130 -841.5,2130.5 -805.68,2166.32 U4.2@-805.68,2275.95
  other v1: -843,2132
RFID_ANT1: P4.7 Q1.2 Q2.2 | length 262.4
  Bottom Layer w15: Q1.2@-546.31,716.05 Q1.2@-545.78,715.52
  Bottom Layer w39.37: P4.7@-495.92,582.28 -495.92,665.66 -519.63,689.37 -411.83,689.37 Q2.2@-385.68,715.52
RFID_ANT2: C35.2 P4.8 R24.2 | length 281.1
  Top Layer w19.68: C35.2@-332.85,607.1 C35.2@-328.57,602.81
  Top Layer w39.37: C35.2@-328.57,602.81 -320.76,595 -276.63,595 v3(-229,595)
  Bottom Layer w39.37: P4.8@-395.92,582.28 -241.72,582.28 v3(-229,595)
RFID_CLK: U3.5 U4.11 | length 2443.8
  Top Layer w8: U3.5@-915.09,803.12 U3.5@-915.09,809.02 -915.09,832.91 -817,931 -671,931 -616,986 v1(-616,1006) ; v1@-538,1384 -538,1377 -548.66,1366.34 -548.66,1107.66 -514,1073 v1@-514,1064 ; v1@-417,1461 -406.28,1471.72 -406.28,1698.34 -335.63,1769 -295,1769 -270,1794 -270,1864 -243,1891 v1@-243,1907 ; v1(-342,2317.16) -316.84,2292 -295.63,2292 -221,2217.37 -221,2063 v1@-192,2034
  Bottom Layer w8: U4.11@-628.51,2275.95 -628.51,2306.86 -604.29,2331.09 -355.93,2331.09 v1(-342,2317.16) ; v1@-617,1007 -617,1020 -575,1062 -522,1062 -520.5,1060.5 v1@-517,1057 ; v1(-537,1384) -478,1384 -420.87,1441.13 v1@-420.87,1453 ; v1@-238.5,1911.5 -264,1937 -264,1992.37 -250.18,2006.19 -214.81,2006.19 v1@-194,2027
  other v1: -517,1064 -416.87,1457 -240,1910 -194,2032
RFID_DEMOD: U3.13 U4.10 | length 2702.2
  Top Layer w8: U3.13@-865.09,598.39 U3.13@-865.09,604.3 -865.09,662.91 -790,738 -790,850 -766,874 -632,874 -490,1016 -490,1081 -530,1121 -530,1340 v1(-515,1355) ; v1@-376.27,1455.73 -371,1461 -371,1711 -330,1752 -281,1752 -252,1781 -252,1855 -204,1903 v1(-204,1914) ; v1(-304.36,2318.36) -299.36,2318.36 -205,2224 -205,2088 -161,2044 v1(-161,2031)
  Bottom Layer w8: U4.10@-648.2,2275.95 -648.2,2309.8 -610.91,2347.09 -333.09,2347.09 v1(-304.36,2318.36) ; v1(-515,1355) -481,1355 -378.55,1457.45 v1(-378.55,1458.02) ; v1@-209,1908 -209.5,1908.5 -209.5,1914 -209.5,1915.5 -247,1953 -247,1983 -239.81,1990.19 -199.81,1990.19 v1@-160.5,2029.5
RFID_GND: C35.1 C36.2 C38.1 D3.2 D6.1 Q2.3 R25.2 R26.2 R27.1 R37.1 R38.2 R40.1 U3.14 | length 2176.8
  Top Layer w8: R27.1@-1518.59,690.22 -1510.09,681.72 -1422.72,681.72 -1409,668 -1409,648 -1426,631 -1448,631 -1456,623 -1456,593 -1426.77,563.77 C38.1@-1424.43,563.77 ; R26.2@-1387.33,563.44 -1387.66,563.77 C38.1@-1424.43,563.77 ; v1(-1373,378) -1379,378 -1445,444 -1445,543.2 C38.1@-1424.43,563.77 ; v1@-1315,401 -1315,404.77 -1315,554.98 R40.1@-1306.13,563.85 -1170.85,563.85 -1170,563 ; R37.1@-1170,607 -1120.3,656.7 R38.2@-1120.3,663.05
  Top Layer w10: R37.1@-1170,607 -1170,604.74 -1170,563 -1158,551 -829,551 -815.09,564.91 U3.14@-815.09,598.39 ; -815.09,561.09 -806,552 -672,552 -622.98,601.02 D3.2@-619.52,601.02 -534,601.02 D6.1@-533.24,601.78 -533.1,601.63 R25.2@-469.18,601.63 -433.77,601.63 C36.2@-433.45,601.32 -427.67,607.1 C35.1@-388.85,607.1
  Top Layer w12: C35.1@-388.85,607.1 -388.85,627.15 v1(-363,653)
  Bottom Layer w8: v1(-1373,378) -1374,379 -1373,379 -1337,379 -1315.73,400.27 v1@-1315,401
  Bottom Layer w12: Q2.3@-465.68,753.52 -342.52,753.52 -333,744 -333,683 v1(-363,653)
  other v1: -1320.23,404.77
RST_N: C96.2 P3.2 R60(NA).2 U20.20 | length 1110.7
  Top Layer w8: P3.2@-379.74,1990.93 -379.74,1965.74 -364,1950 -309,1950 -298,1961 -298,2100 -298,2101 -297.5,2101.5 v1@-294,2105 ; C96.2@106.93,1768.46 112.39,1763 v1(133,1763)
  Bottom Layer w8: P3.2@-379.74,1990.93 -379.74,2028.63 -379.3,2029.07 ; v1@-292,2099 -285,2092 -87,2092 -29,2034 128,2034 169,1993 169,1816 133,1780 v1(133,1763) 132.82,1763.18 U20.20@102.45,1763.18
  other v1: -296,2100
SCL: R6.1 TP26.1 U4.42 U5.6 U20.2 | length 1526.2
  Top Layer w8: v1@-818,2048 -818,2022 -731,1935 -589.12,1935 -573.12,1919 -470,1919 -438,1951 -389,1951 -366,1928 -305,1928 -272,1961 -272,2199.27 -298.73,2226 -326.63,2226 -375.13,2274.5 TP26.1@-449.25,2274.5 ; U5.6@-511.17,2275.93 -509.74,2274.5 TP26.1@-449.25,2274.5 ; TP26.1@-447.58,2272.83 TP26.1@-449.25,2274.5 ; R6.1@-432.61,2249.27 -432.61,2273.9 ; -268.5,2001.5 v1@-227.5,1960.5
  Bottom Layer w8: U4.42@-894.26,2088.94 -864.94,2088.94 -856,2080 -856,2052 -851,2047 -825,2047 v1(-824,2048) ; v1(-222,1966) -198,1966 -166,1998 -91,1998 -83.57,1990.57 U20.2@-83.57,1968.91
SD_MISO: U4.16 U13.2 | length 394
  Bottom Layer w8: U4.16@-539.93,2148 -377.38,2148 -369.37,2156 -278,2156 -210.69,2223.31 U13.2@-177.13,2223.31
SD_MOSI: U4.17 U13.5 | length 94
  Bottom Layer w8: U4.17@-539.93,2128.31 -455.75,2128.31 U13.5@-448.78,2121.34
SD_SCK: U4.15 U13.6 | length 93.5
  Bottom Layer w8: U4.15@-539.93,2167.68 -454.41,2167.68 U13.6@-448.78,2173.31
SDA: R7.1 TP25.1 U4.43 U5.7 U20.3 | length 1885.9
  Top Layer w8: v1@-814,2077 -829.37,2077 -851,2055.37 -851,2031 -739,1919 -595.75,1919 -578.75,1902 -461,1902 -429,1934 -398,1934 -375,1911 -299,1911 -270,1940 -207,1940 -177,1970 -177,1996 ; R7.1@-433.84,2215.13 -444.47,2215.13 -469.34,2240 -520,2240 -530.85,2250.85 U5.7@-530.85,2275.93 -530.85,2300.15 -521.06,2309.94 -450.83,2309.94 -450.43,2309.54 -441.89,2301 -379,2301 -320,2242 -292.1,2242 -255,2204.9 -255,2010.63 -240.37,1996 -177,1996 ; v1@-130.16,2028.16 -162.33,1996 -177,1996
  Bottom Layer w8: U4.43@-894.26,2108.63 -860.63,2108.63 -832.63,2080.63 v1(-807,2080.63) ; v1@-119.44,2024.56 -94.81,2024.56 -63.89,1993.63 U20.3@-63.89,1968.91
  other v1: -125.89,2027
SENS_BAT: R58.2 R74.1 U4.18 | length 2051.4
  Top Layer w8: R74.1@-1516.8,851.32 -1459.09,851.32 R58.2@-1455.42,855 ; R58.2@-1453.58,856.83 R58.2@-1455.42,855 ; v1@-552,1858 -557,1858 -561,1858 -606,1903 -680.63,1903 -777,1806.63 -777,1517 -811.56,1482.44 -811.56,1271.44 -868,1215 -919.8,1215 -1072,1062.8 -1072,1051.63 -1167.63,956 -1313,956 -1414,855 -1453.58,855 R58.2@-1455.42,855
  Bottom Layer w8: v1(-557,1859) -557,1885 -589.12,1917.12 -589.12,1959.12 -625,1995 -625,2052.41 -568.78,2108.63 U4.18@-539.93,2108.63
SENS_VIN: C68.2 R67.2 R68.2 U4.19 | length 2282.8
  Top Layer w8: R67.2@-1365.76,518.88 -1358,526.64 -1358,885 -1303,940 -1161,940 -970.75,1130.25 R68.2@-957.57,1130.25 ; R68.2@-957.57,1130.37 C68.2@-930.4,1130.37 ; C68.2@-930.4,1129.86 C68.2@-930.4,1130.37 ; v1@-536,1834 -567,1834 -620,1887 -674,1887 -761,1800 -761,1510.37 -793,1478.37 -793,1261.51 -858.51,1196 -908,1196 -930.4,1173.6 C68.2@-930.4,1130.37
  Bottom Layer w8: U4.19@-539.93,2088.94 -565.84,2088.94 -609,2045.78 -609,2001.63 -572,1964.63 -572,1922.63 -531,1881.63 v1@-531,1833
  other v1: -534,1833
SIM_CLK: C58.2 P10.3 TP12.1 U12.26 | length 1200.4
  Top Layer w8: v1(-258,1469) -258,1494.76 P10.3@-243.31,1509.45 ; C58.2@-199.91,1465.69 -199.91,1466.05 P10.3@-243.31,1509.45 ; TP12.1@-174.16,1508.66 -174.94,1509.45 P10.3@-243.31,1509.45
  Bottom Layer w8: U12.26@-535.97,934.87 -535.97,984.03 -510,1010 -492,1010 -473,1029 -456,1029 -422,1063 -422,1241.33 -489.67,1309 -526.37,1309 -580,1362.63 -580,1468 -564,1484 -273,1484 v1(-258,1469)
SIM_DATA: C59.2 P10.7 TP13.1 U12.25 | length 867.2
  Top Layer w8: TP13.1@-652.11,1545.69 -615.27,1508.85 P10.7@-608.13,1508.85 ; C59.2@-641.61,1466.67 -641.61,1475.36 P10.7@-608.13,1508.85 ; v1@-543.5,1454.5 -548.5,1459.5 -597.85,1508.85 P10.7@-608.13,1508.85
  Bottom Layer w8: v1@-553,1458 -549,1458 -563,1444 -563,1368.25 -522.75,1328 -486.04,1328 -406,1247.96 -406,1052 -447,1011 -463,1011 -492.66,981.34 U12.25@-492.66,934.87
  other v1: -549,1459
SIM_RST: C57.2 P10.2 TP11.1 U12.24 | length 939.8
  Top Layer w8: v1(-316,1459) -319,1459 -317.5,1460.5 -316,1462 -316,1605 -309,1612 P10.2@-243.56,1612 P10.2@-241.28,1612 ; C57.2@-199.91,1570.63 P10.2@-241.28,1612 ; TP11.1@-178.49,1612.6 -179.09,1612 P10.2@-241.28,1612
  Bottom Layer w8: U12.24@-449.35,934.87 -449.35,984.65 -387,1047 -387,1412 -351,1448 -330,1448 v1@-319,1459
SIM_VDD: C56.1 P10.1 TP10.1 U12.23 | length 965
  Top Layer w12: v1@-350,1412 -350,1472 -338,1484 -338,1697 -319.85,1715.15 P10.1@-243.56,1715.15 -215.46,1687.05 -200.1,1671.69 C56.1@-197.97,1671.69
  Bottom Layer w12: U12.23@-406.05,934.87 -406.05,995.95 -369,1033 -369,1267 -339,1297 -339,1401 -349.78,1411.78 v1@-350,1412
  other v1: -349.57,1412
SWCLK: P2.2 U4.34 | length 284.5
  Bottom Layer w8: U4.34@-785.99,1921.62 -785.99,1950.01 -775,1961 -738,1961 -673,2026 -673,2091 -692.77,2110.77 P2.2@-711.42,2110.77
SWDIO: P2.3 U4.37 | length 211.9
  Bottom Layer w8: U4.37@-894.26,1990.52 -863.56,1990.52 -849.08,2005 -772.63,2005 -716.86,2060.77 P2.3@-711.42,2060.77
UART1_RX: TP7.1 U4.31 U12.9 | length 610.9
  Bottom Layer w8: U4.31@-726.94,1921.62 -726.94,1797.94 -712,1783 -579.12,1783 -526.12,1730 -459,1730 -406,1677 U12.9@-406.05,1560.85 U12.9@-406.05,1560.85
UART1_TX: R33.2 TP5.1 U4.30 | length 502
  Bottom Layer w8: U4.30@-707.25,1921.62 -705.81,1920.18 -705.81,1812.82 -691.99,1799 -572.49,1799 -522.49,1749 -433,1749 -388.74,1704.74 R33.2@-367,1683
UART2_RX: TP1.1 U1.2 U4.13 | length 2071.1
  Top Layer w8: v1(-309,2267) -294,2267 -238,2211 -238,2039 ; v1@-268,1895 -288,1875 -288,1801 -303,1786 -341.25,1786 -426,1701.25 -426,1494 -443,1477 -443,1375 -401,1333 -303,1333 -289,1319 -289,1178 -271,1160 -161,1160 -160,1160 v1@-159,1159
  Bottom Layer w8: U4.13@-539.93,2207.05 -539.93,2267.07 -507.91,2299.09 -387.09,2299.09 -355,2267 v1(-309,2267) ; v1@-281,1908 -281,1998 -249,2030 v1(-229,2030) ; v1@-159,1159 -160,1158 -177,1141 -177,1064 -131,1018 -100.5,1018 TP1.1@-99.63,1017.13 -102.76,1014.01 U1.2@-102.76,956.44
  other v1: -161,1159 -273,1900
VBAT: C25.2 P13.2 R74.2 U10.2 U10.3 | length 422.6
  Top Layer w10: U10.3@-1625.8,945.45 -1671.15,945.45 C25.2@-1678.24,952.54 ; U10.2@-1625.8,965.14 -1665.63,965.14 C25.2@-1678.24,952.54 ; R74.2@-1558.8,851.32 -1578.93,831.19 -1611.19,831.19 -1678.24,898.24 C25.2@-1678.24,952.54
  Top Layer w39.37: P13.2@-1768.09,976.47 -1744.16,952.54 C25.2@-1678.24,952.54
VDD1: C91.2 FB2.1 U20.39 | length 224.3
  Top Layer w8: v1(-170,1908) -166,1908 -157.81,1916.19 -138.87,1916.19 -135.15,1919.91 -111.15,1919.91 C91.2@-109.4,1921.66 ; C91.2@-106,1918 -61.9,1873.9 FB2.1@-9.67,1873.9
  Bottom Layer w8: v1(-170,1908) -164.33,1908 -151.63,1920.7 U20.39@-131.8,1920.7
VDD_RF: C71.1 C72.1 C73.1 C74.1 C76.1 C77.1 FB1.1 U20.10 U20.21 U20.24 U20.27 U20.28 U20.29 U20.31 | length 1083.2
  Top Layer w8: v1@-130,1752 -130.19,1752 -130.19,1790.81 -105,1816 -10.11,1816 FB1.1@-9,1816 ; v1@-122,1744 -122,1741 -114.19,1733.19 C71.1@-100.45,1733.19 C72.1@-73.52,1733.19 ; v1(-77,1705) -77,1729.72 C72.1@-73.52,1733.19 ; v1(23,1683) 15.22,1690.78 C74.1@15.22,1730.44 ; C77.1@74.45,1972.67 101.33,1972.67 v1(102,1972) 203,1871 203,1768 166,1731 v1(100,1731) 76.57,1731 C76.1@74.04,1728.47 17.19,1728.47 C74.1@15.22,1730.44 ; C72.1@-73.52,1733.19 C73.1@-45.49,1733.19 12.46,1733.19 C74.1@15.22,1730.44
  Bottom Layer w8: v1@-131.8,1744 U20.31@-131.8,1763.18 ; v1@-83.57,1711.57 U20.29@-83.57,1734.66 ; v1(-77,1705) -63.89,1718.11 U20.28@-63.89,1734.66 U20.27@-44.2,1734.66 ; U20.24@14.85,1734.66 14.85,1691.15 v1(23,1683) ; U20.21@73.91,1734.66 96.34,1734.66 v1(100,1731) ; U20.10@73.91,1968.91 77,1972 v1(102,1972)
  other v1: -130,1744
VGPS: C40.2 Q3.3 TP15.1 U1.7 U1.8 | length 317.7
  Bottom Layer w26: Q3.3@-18.95,1129.4 44.6,1129.4 68.1,1105.9 C40.2@68.1,1061.16 83.84,1061.16 113.78,1031.22 U1.7@113.78,956.44 U1.8@157.09,956.44
VGSM: C48.1 C49.1 C51.2 C53.1 Q4.3 TP23.1 U12.33 U12.34 | length 435.9
  Top Layer w20: Q4.3@-1189,1044 -1173,1060 -1160,1073 -1155.12,1077.88 v1(-1155.12,1092) -1155.12,1103.88
  Bottom Layer w20: TP23.1@-1269.21,1138.56 -1193.66,1138.56 C48.1@-1188.77,1143.45 -1163.26,1117.94 -1109.35,1117.94 -1078.64,1117.94 -1048.26,1117.94 U12.33@-963.13,1117.94 U12.34@-963.13,1161.24
  other v1: -1238,1065 -1211,1066 -1179,1066 -1154,1067 -1239,1092 -1209,1092 -1180,1092
VIN: D4.1 P4.1 R67.1 U3.9 | length 769.2
  Top Layer w10: v1(-1416,483) -1407.76,491.24 R67.1@-1407.76,518.88
  Top Layer w25: v1(-1136,581) -1088,581 U3.9@-1068,601
  Bottom Layer w10: v1(-1416,483) -1378,483 -1377,484
  Bottom Layer w39.37: D4.1@-1534.66,371.48 -1532.19,369 -1454,369 -1377,446 -1377,484 -1377,565 -1340,602 -1136,602 -1115.64,602 -1115.32,601.68 P4.1@-1095.92,582.28
pads on no net: E1.2 E2.2 E2.3 E2.4 E2.5 P10.6 U1.3 U1.5 U1.9 U1.13 U1.15 U1.16 U1.17 U1.18 U4.12 U5.2 U5.10 U5.11 U5.12 U10.7 U10.9 U11.4 U12.1 U12.2 U12.3 U12.4 U12.12 U12.13 U12.16 U12.17 U12.18 U12.19 U12.20 U12.21 U12.22 U12.28 U12.30 U12.31 U12.41 U12.42 U12.43 U12.44 U20.4 U20.5 U20.6 U20.7 U20.8 U20.9 U20.11 U20.12 U20.13 U20.14 U20.15 U20.16 U20.19 U20.36 U20.37 U20.38

## Polygon pours and split planes (outlines as drawn)
GND on Top Layer "Top Layer-GND" (solid, remove dead copper, pour order 1000): -1822.48,-295.16 -1821,1170 -1116,1169 -1055,1228 -1055,2394 100.12,2395.84 100.12,2395.76 ccw(c179.94,2341.98) 249.74,2275.72 250,2275.48 251,1462 -95,1462 -95,1218 248,990 250,-295.16 -48,-295.16 -48,532 -1293,532 -1293,-295.16
GND on Bottom Layer "Bottom Layer-GND" (solid, remove dead copper, pour order 1001): -1822.48,-295.16 -1820,1182 -1271,1182 -1130,1181 -1054,1229 -1054,2395 100.12,2395.84 100.12,2395.76 ccw(c179.94,2341.98) 249.74,2275.72 250,2275.48 249,1466 -123,1467 -122,1231 246,964 250,-295.16 -48,-295.16 -48,532 -1293,532 -1293,-295.16

## Keep-outs
Keep-Out Layer:
  lines w3.94: -1822.48,2246 -1822.48,-295.16 -1293,-295.16 -1293,532 -48,532 -48,-295.16 250,-295.16 250,2275.48 ; -1822.4,2246 ccw(c-1768.63,2325.82) -1702.36,2395.62 ; -1702.36,2395.84 100.12,2395.84 ; 100.12,2395.76 ccw(c179.94,2341.98) 249.74,2275.72

## Other copper
Top Layer:
  rectangle net NetC1_1: -1809,379 -1725,458
  rectangle net 5V: -1541,1000 -1516,1079
  region net VGSM: -1225,1029 -1250,1054 -1250,1107 -1241,1116 -1147,1116 -1133,1102 -1133,1071 -1172,1028 -1174,1028
Bottom Layer:
  rectangle net GND: -126,1437 -46,1477
  rectangle net GND: -1285,1255 -1033,1299
  rectangle net GND: -1288,1365 -1035,1411
  rectangle net VGSM: -1177,1108 -911,1174
  rectangle net 5V: -1561,1030 -1514,1085
  rectangle net VGSM: -1250,1054 -1143,1159
  region net NetC1_1: -1783,594 -1784,593 -1784,469 -1811,442 -1811,379 -1798,366 -1769,366 -1761,374 -1761,424 -1741,444 -1718,444 -1715,447 -1715,587 -1720,592

## Silkscreen, mask and mechanical layers (free items; w line width, h text height)
Top Overlay:
  lines w3.94: -609.98,1746.85 -609.98,1883.26 ; -606.05,1237.59 -606.05,1474.99
Bottom Overlay:
  text "MCU" at -754.72,2191.16 h25
  text "GSM ANT" at -1255.65,1819.16 h25 r90
  text "GPS" at 54.1,344.97 h25
Mechanical 15:
  lines w7.87: -1620.61,93.71 -1620.61,2219.69 -77.31,2219.69 -77.31,93.71 -1620.61,93.71

## Text inside footprints (layer, text, board x,y; h text height)
L1: Bottom Overlay "5.6uH" at -1581.88,678.35 h25
U20: Bottom Overlay "*" at -121.91,2011.78 h25 r90; Mechanical 1 "*" at -128.1,2010.64 h25 r90